# KiCad board Marble.kicad_pcb (continued)
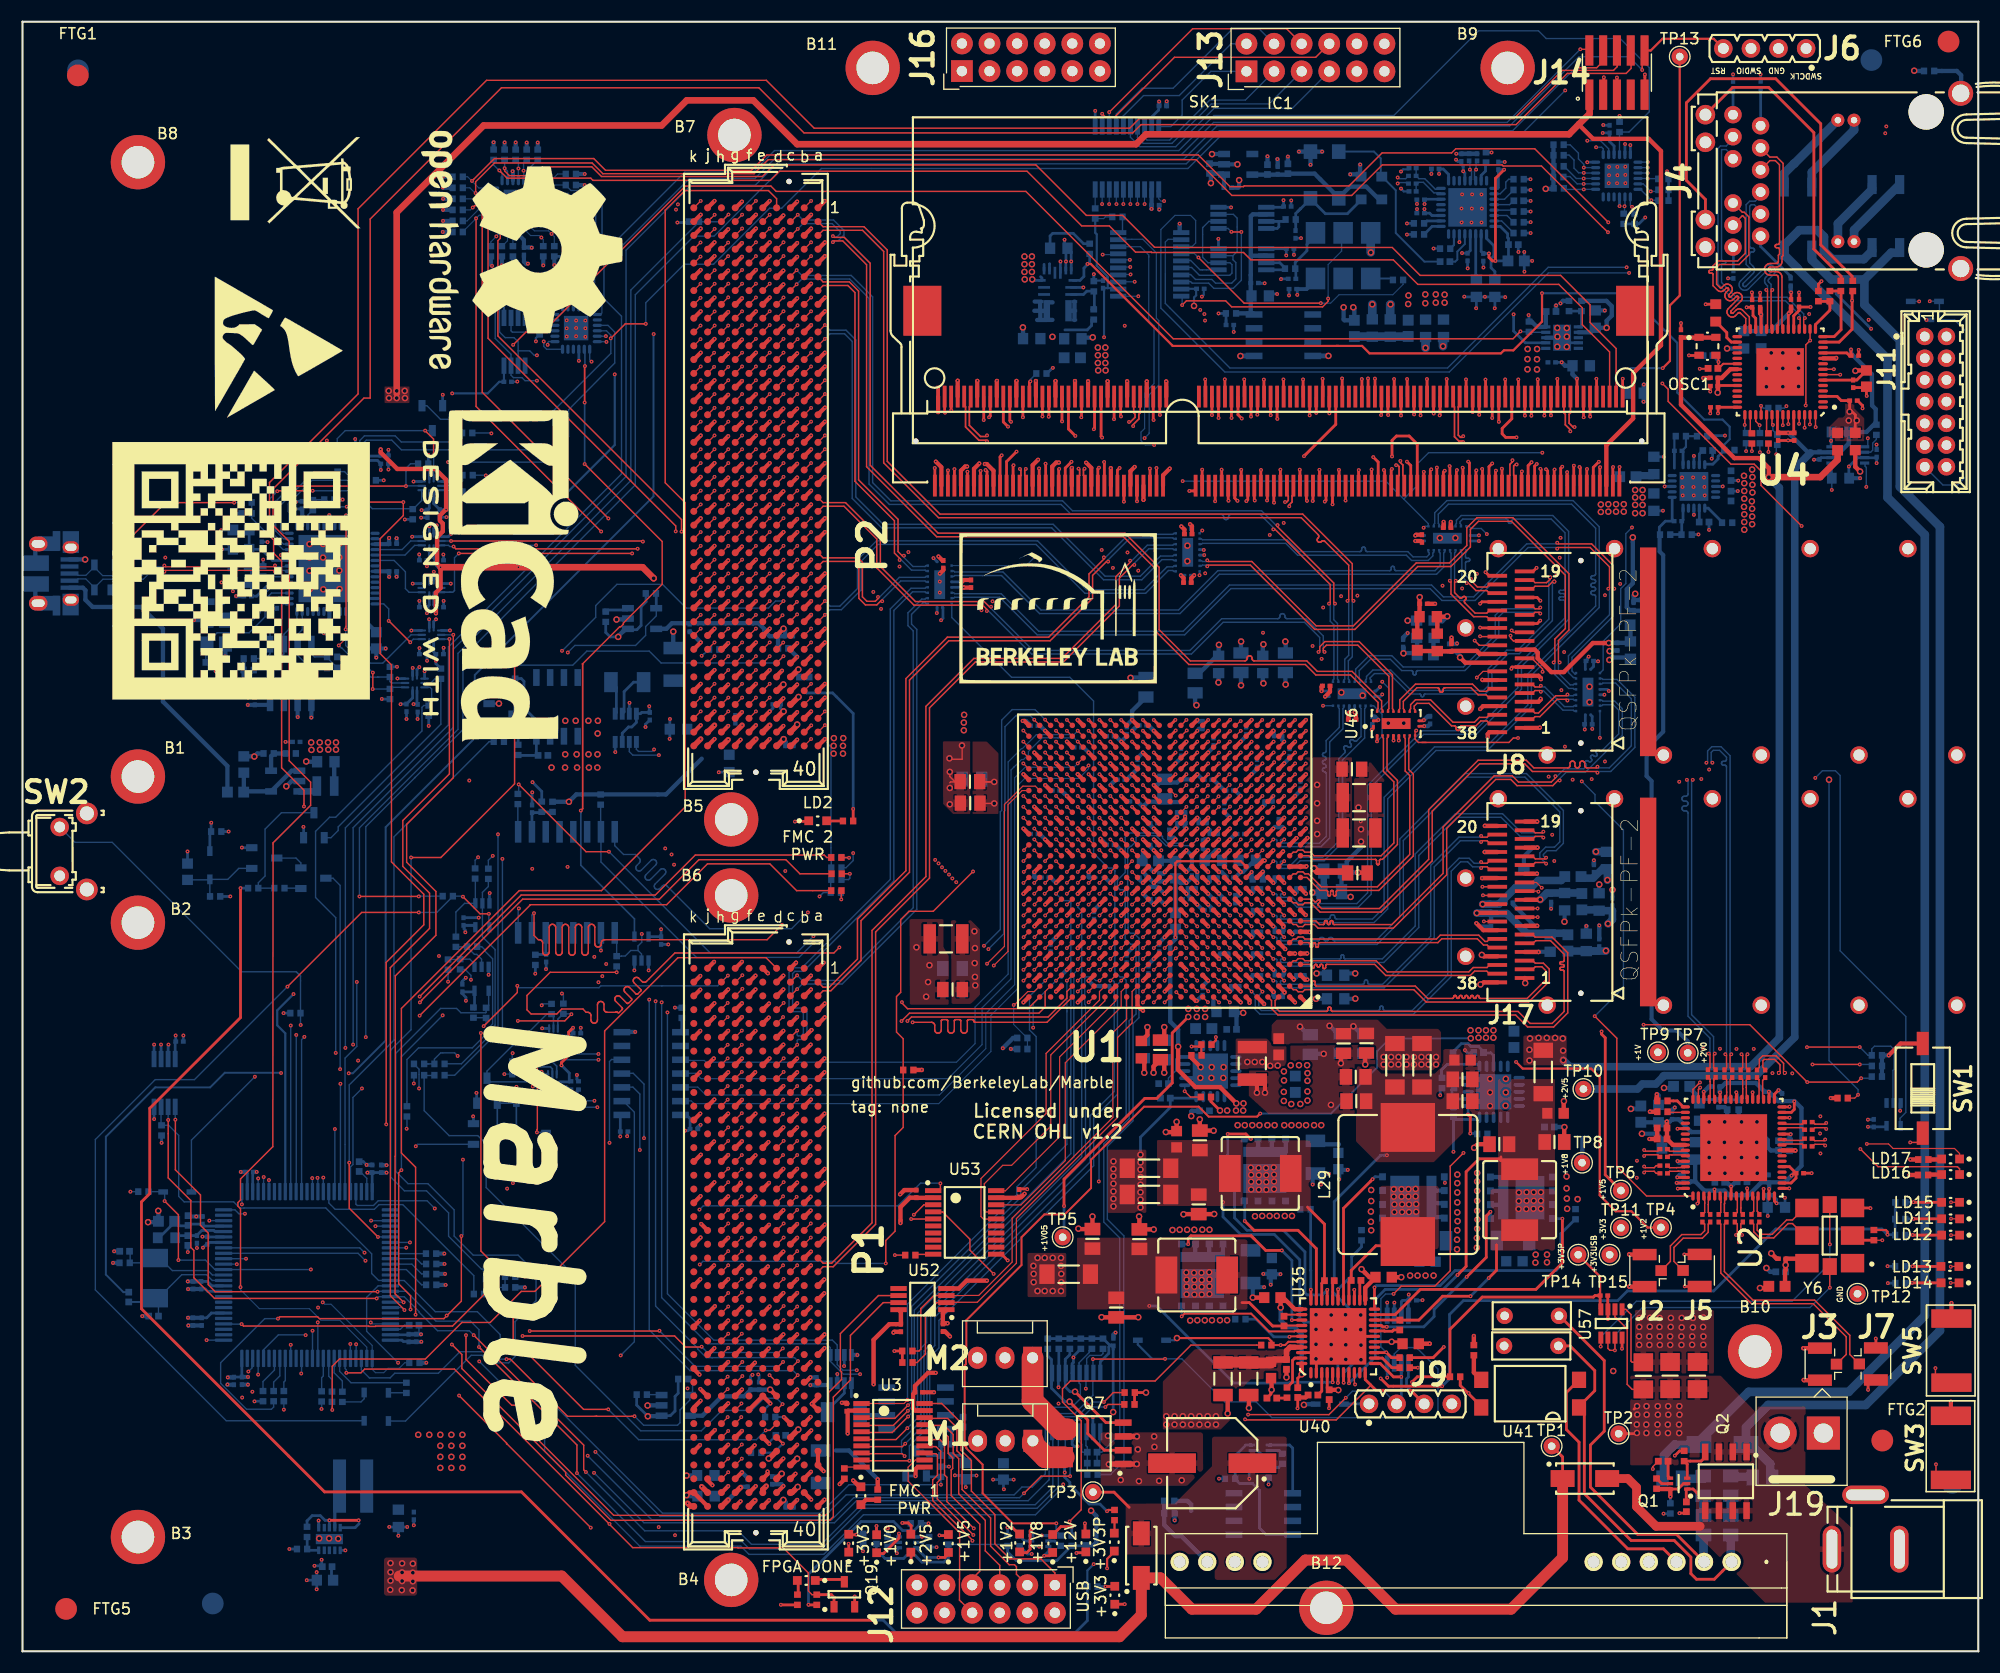
[diagram p0: board, top side]
## Routing (per net, layer and track width the routed paths; a pad name or vN(x,y) marks a point on that pad's centre or on a via; arc(x,y) is an arc through that point) (continued)
Net-(U1-PadD11): length 0.7
  Top w0.102: U1.D11 v1(108.12,62.73)
Net-(U1-PadG11): length 0.7
  Top w0.102: U1.G11 v1(108.12,65.73)
Net-(U1-PadJ14): length 0.7
  Top w0.102: U1.J14 v1(104.12,67.73)
Net-(U1-PadW20): length 0.7
  Top w0.11: v1(98.11,78.74) 98.11,78.74 U1.W20
Net-(U1-PadY21): length 0.7
  Top w0.11: v1(97.12,79.73) 97.12,79.73 U1.Y21
Net-(U4-Pad7): length 9.5
  Top w0.127: U4.7 167.29,117.51 v1(167.29,117.51)
  In2.Cu w0.127: v1(167.29,117.51) 169.83,114.97 v1(169.83,111.66)
  Bottom w0.127: v1(169.83,111.66) 169.83,110.85 169.58,110.85
Net-(U15-Pad8): length 6.4
  Bottom w0.127: U23.34 34.2,100.41 35.24,99.37 35.24,97.82 35.58,97.48 U15.8
Net-(U20-Pad28): length 0
  Bottom w0.178: 130.54,132.67 130.53,132.68
Net-(U23-Pad32): length 4.6
  Bottom w0.127: U23.32 34.93,101.41 35.72,102.2 U38.9
Net-(U23-Pad33): length 4.7
  Bottom w0.127: U38.8 36.1,101.8 35.21,100.91 U23.33
Net-(U23-Pad42): length 6.5
  Top w0.127: v1(33.7,94.85) 33.72,94.85 v1(35.68,92.88)
  Bottom w0.127: U25.8 35.97,93.16 v1(35.68,92.88) ; v1(33.7,94.85) 33.7,95.95 33.24,96.41 U23.42
Net-(U23-Pad46): length 11.3
  Bottom w0.127: U25.9 35.76,93.56 33.16,90.96 31.98,90.96 30.25,92.69 U23.46
Net-(U34-Pad1): length 0.9
  Bottom w0.127: v1(149.59,137.08) 149.58,137.07 U34.1
Net-(U34-Pad2): length 0.9
  Bottom w0.127: v1(149.58,136.57) 149.57,136.57 U34.2
Net-(U34-Pad3): length 0.9
  Bottom w0.127: U34.3 149.57,136.07 v1(149.58,136.08)
Net-(U40-Pad3): length 23.9
  Top w0.254: 143.74,25.06 143.33,25.06 142.09,23.82 142.09,20.41 143.26,19.25 143.26,13.91 147.74,9.43 151.02,9.43 U40.3
Net-(U48-Pad9): length 93.2
  In9.Cu w0.127: v1(119.69,87.04) 118.68,86.02 118.68,83.71 122.69,79.7 148.37,79.7 151.6,76.47 158.16,76.47 162.09,80.4 v1(165,80.4)
  Bottom w0.127: 119.83,87.04 119.84,87.04 U48.9 ; v1(165,80.4) 165.66,81.05 166.85,81.05 167.29,80.62 167.29,64.48 173.33,58.43 173.33,49.6 172.8,49.06 172.8,48.35
Net-(U54-Pad55): length 0.2
  Bottom w0.127: U54.55 34.02,38.64 34.03,38.62
Net-(U58-Pad4): length 2.3
  Bottom w0.4: U58.5 U58.A4 ; U58.4 U58.6

## Copper pours and planes (outline as drawn; the poured copper is in the pictures)
+1V0 on Top: 115.41,58.13 124.74,58.13 125.57,57.29 130.27,57.29 130.55,57.01 130.55,54.22 129.82,53.48 125.09,53.48 124.56,54.02 124.56,55.31 124,55.87 114.94,55.87 114.97,57.65
+1V0 on Top: 117.68,82.29 122.36,82.29 122.34,73.92 117.7,73.93 117.68,80.15
+1V0 on In4.Cu: 107.87,66.95 103.65,66.86 102.37,67.93 102.33,75.53 104.03,77.09 115.57,77.11 115.65,77.19 127.81,77.12 130.71,74.24 130.78,52.62 129.56,52.62 112.72,52.62 112.72,64.3 110.08,66.95
+1V0 on GND5.Cu: 104.8,67.25 102.51,69.54 102.51,76.77 103.12,77.38 114.61,77.42 114.63,77.44 129.76,77.38 130.93,76.33 130.91,52.97 128.6,52.92 111.76,52.92 111.76,64.61 109.12,67.25
+1V0 on PWR6.Cu: 110.97,67.17 105.19,67.18 102.83,68.99 102.81,76.98 103.15,77.26 117,77.41 119.12,80.23 132.62,80.22 132.59,74.29 132.66,53.48 132.66,52.85 115.82,52.85 115.82,64.53 113.18,67.17
+1V5 on Bottom: 100.15,117.26 96.69,117.26 96.69,120.06 96.72,120.06 97.05,120.39 100.15,120.44
+1V5 on Bottom: 147.98,104.51 145.08,104.51 144.4,105.2 144.4,108.65 147.98,108.65
+1V5 on PWR6.Cu: 149.57,103.41 145.91,99.8 145.91,80.8 119.68,80.86 118.87,79.8 117.1,77.45 116.41,76.56 115.78,76.56 115.1,77.41 99.78,77.51 99.02,78.16 99.03,83.49 95.09,87.43 87.45,87.43 87.45,122.44 149.57,122.44
+1V8 on Top: 138.14,53.63 142.13,53.63 142.13,56.68 138.14,56.68
+1V8 on Bottom: 143.86,56.33 143.86,53.23 144.7,52.52 144.68,46.75 134.34,46.75 134.34,49.01 134.92,49.77 137.11,49.77 137.11,50.54 138.4,50.56 138.4,57.57 142.62,57.57
+1V8 on Bottom: 119.06,50.03 115.41,50.03 115.41,52.06 119.07,52.06
+1V8 on Bottom: 109.02,51.68 109.02,50.54 108.79,50.31 108.79,49.19 113.39,49.19 113.39,51.88 112.83,52.44 111.05,52.44 111.05,51.68
+1V8 on PWR6.Cu: 108.63,52.63 108.63,46.57 143.48,46.62 143.34,80.34 132.88,80.37 132.89,53.13 132.38,52.62 116.05,52.62 115.31,52.63
+2V5 on Top: 92.5,36.67 96.06,36.67 96.06,32.6 92.5,32.6
+2V5 on Top: 87.43,83.73 88.75,83.73 89.82,82.67 89.82,77.08 87.43,77.08
+2V5 on Top: 85.45,67.29 87.28,67.29 88.12,66.45 88.12,60.43 87.28,59.6 85.5,59.6
+2V5 on Bottom: 60.37,83.63 62.23,81.78 75.59,81.78 75.94,82.13 75.94,85.06 75.08,85.92 60.78,85.92 60.37,85.51
+2V5 on Bottom: 106.05,55.54 106.05,56.96 105.72,57.29 105.72,57.62 105.41,57.93 103.2,57.93 102.49,57.22 102.49,55.54
+2V5 on Bottom: 61.12,12.56 61.12,17.06 68.81,17.06 68.81,12.59
+2V5 on Bottom: 87.53,82.52 89.51,82.52 89.84,82.49 89.84,77.59 87.53,77.59
+2V5 on Bottom: 85.5,65.16 88.12,65.16 88.12,60.43 87.28,59.6 85.5,59.6
+2V5 on In2.Cu: 65,82.35 61.38,82.35 61.38,85.83 65,85.83
+2V5 on In2.Cu: 96.42,32.27 90.6,32.27 88.08,29.84 88.08,21.22 78.74,11.88 61.03,11.88 61.03,18.15 73.71,18.15 78.56,23.17 78.56,31.78 84.53,37.2 96.42,37.2
+2V5 on In2.Cu: 117.15,69.41 119.84,72.02 119.84,79.34 112.6,79.34 111.67,80.36 97.9,80.36 94.85,76.9 94.85,76.05 95.49,75.34 103.46,75.35 111.81,75.35 111.99,75.2 112.17,74.87 112.17,74.54 111.46,73.83 111.46,69.82 111.86,69.41
+2V5 on PWR6.Cu: 93.82,32.35 96.87,32.35 96.85,46.28 97.29,46.79 108.35,46.96 108.38,52.84 115.12,52.86 115.15,64.66 112.9,66.84 104.66,66.81 102.62,68.34 102.59,76.83 101.85,77.4 99.44,77.4 98.49,78.22 98.46,80.94 98.5,83.1 94.82,86.97 82.12,86.99 75.23,86.97 74.05,85.63 74.27,48.83 91.89,32.32
+3V3 on Top: 99.87,46.17 103.43,46.17 103.43,40.35 99.87,40.35
+3V3 on Bottom: 95.32,128.51 94.76,127.96 94.76,126.46 94.26,125.95 91.84,125.95 91.84,129.73 95.32,129.73
+3V3 on Bottom: 159.69,109.65 159.69,103.33 158.87,102.52 156.18,102.52 155.29,103.43 155.27,109.58 157.12,111.18 158.18,111.18
+3V3 on Bottom: 121.08,124.24 123.19,124.24 123.19,121.91 121.08,121.91
+3V3 on PWR6.Cu: 179.6,145.51 179.58,143.54 179.37,79.8 179.37,61.91 179.45,61.23 179.45,2.86 179.63,2.23 179.6,0.49 48.41,0.47 48.44,18.89 48.44,37.81 46.28,39.97 46.28,52.54 42.09,56.73 42.09,81.75 43.1,82.77 58.98,82.77 59.03,94.68 41.32,94.71 41.32,116.81 0.56,116.81 0.56,141.81 0.57,149.44 179.54,149.51 ; 1 cut-out
+3V3 on In9.Cu: 159.34,109.46 159.75,109.21 159.7,97.75 142.92,81.78 121.94,81.78 117.5,86.22 117.5,87.95 117.52,87.98 127.3,95.8 127.25,103.93 132.74,109.44
+3V3_CLEAN on Bottom: 126.64,121.78 126.74,121.8 131.59,121.85 131.59,125.28 126.64,125.31
+3V3_CLEAN on In4.Cu: 112.61,118.13 130.79,118.11 139.19,126.29 139.12,126.19 139.09,136.75 134.88,141.01 131.07,141.01 127.21,138.32 108.66,138.32 108.58,121.78
+3V3_USB on Bottom: 24.81,82.08 27.66,82.08 28.01,81.73 28.01,78.53 29.61,78.53 29.61,83.81 29.21,84.22 24.81,84.22
+3V3_USB on In2.Cu: 17.07,78.83 17.07,68.93 21.64,68.93 22.91,70.2 22.91,75.53 26.18,78.81
+3V3_USB on In2.Cu: 38.88,110.89 38.88,87.19 30.38,78.68 17.07,78.68 17.07,110.89
+12V on Top: 155.67,25.4 148.4,25.4 148.4,31.42 155.67,31.42
+12V on Top: 104.95,20.41 110.28,20.41 111.81,21.94 111.81,23.79 113.05,25.03 116.65,25.06 116.67,27.8 107.9,27.8 104.95,24.83
+12V on Bottom: 105.41,35.4 115.47,35.42 115.47,38.37 111.78,38.37 110.72,39.44 105.41,39.41
+12V on Bottom: 111.35,45.08 121.79,45.08 121.79,49.11 111.35,49.11
+12V on Bottom: 133.32,44.62 137.13,44.62 137.13,35.35 133.32,35.35
+12V on Bottom: 128.83,39.27 129.41,38.69 129.41,35.19 131.62,35.19 132.66,36.24 132.66,44.49 128.83,44.49
+12V on Bottom: 47.99,85.97 53.32,85.97 53.32,81 47.99,81
+12V on Bottom: 91.88,29.43 91.88,23.33 93.55,21.67 93.55,16.96 85.15,16.96 85.15,19.15 83.56,20.74 83.56,25.76 87.23,29.43
+12V on In7.Cu: 86.94,12.36 82.5,12.36 78.56,8.42 57.99,8.42 56.13,8.45 50.7,13.88 50.7,28.29 60.5,28.29 60.5,22.06 63.62,18.94 75.64,18.94 86.97,30.27
+12V on In7.Cu: 170.7,48.94 170.66,12.36 86.61,12.36 86.61,33.06 102.61,49.06 135.4,49.06
+12V on In7.Cu: 55.74,86.05 55.74,61.03 60.47,56.29 60.47,25.89 50.73,25.89 50.8,50.71 48.36,52.85 47.5,53.6 47.5,86.05
+12V_FMC1 on Bottom: 70.41,21.99 71.57,23.16 75.21,23.16 75.21,17.67 72.39,17.67 71.42,16.83 69.95,16.83 69.95,21.58
+12V_FMC2 on Bottom: 56.28,87.98 57.1,87.16 71.85,87.16 72.18,87.49 72.18,90.31 71.55,90.95 56.84,90.95 56.28,90.39
/Power/+12VS on Top: 159.51,22.01 159.51,17.11 147.96,17.12 147.96,25.37 156.29,25.37
/Power/+12VS on Bottom: 154.12,19.12 146.26,11.25 115.2,11.25 115.3,20.76 131.65,20.76 135.37,23.79 154.12,23.79
/Power/Power_SW/1V5_DCDC on Bottom: 95.02,122.37 95.4,121.81 96.59,121.81 96.59,118.38 92.78,118.38 92.78,124.48 95.02,124.48
/Power/Power_SW/1V5_LDO on Bottom: 152.41,109.23 150.15,109.25 149.36,110.28 148.21,110.27 148.07,110.12 148.06,107.68 148.21,107.53 152.05,107.53 152.13,107.45 152.41,107.45
GND on Top: 135.51,49.39 132.66,49.39 132.66,55.9 135.51,55.9
GND on Top: 115.39,53.46 116.68,53.46 116.68,55.75 124.05,55.82 124.51,55.36 124.51,54.04 122.6,54.04 122.6,49.5 114.71,49.45 112.86,51.13 112.89,53.46
GND on Top: 123.8,82.21 122.54,82.25 122.56,73.94 125.3,73.97 125.35,80.2
GND on Top: 84.71,83.76 87.28,83.76 87.28,77.08 85.65,77.08 84.63,78.1 84.74,78.1
GND on Top: 81.64,67.39 84.76,67.39 84.76,64.83 85.25,63.99 85.25,59.52 81.67,59.52
GND on Top: 99.22,20.16 108.65,20.16 108.66,16.7 107.19,15.23 99.23,15.23
GND on Bottom: 87.31,83.82 87.32,76.99 84.71,76.99 84.71,83.84
GND on Bottom: 129.31,35.4 129.51,35.19 130.65,35.19 130.78,35.07 130.78,34.05 130.58,33.85 126.49,33.85 126.49,38.93 129,38.93 129.31,38.62
GND on Bottom: 106.05,55.34 102.49,55.34 102.49,52.37 104.37,50.49 105.21,50.49 105.21,52.34 106.05,53.18
GND on Bottom: 69.82,16.6 74.88,16.6 74.88,14.82 73.12,13.07 69.82,13.07
GND on Bottom: 81.72,59.7 85.25,59.7 85.25,64.4 81.72,64.4
GND on Bottom: 107.19,32.35 111.73,32.35 111.73,30.04 107.19,30.04
GND on Bottom: 112.93,42.05 118.08,42.05 118.08,39.03 112.93,39.03
GND on Bottom: 123.03,43.15 125.75,43.15 125.75,38.4 123.03,38.4
GND on Bottom: 140.18,44.31 144.45,44.31 144.45,40.25 140.18,40.25
GND on Bottom: 137.44,38.99 140.97,38.98 140.97,35.14 137.44,35.16
GND on GND1.Cu: 179.6,0.48 0.6,0.48 0.6,149.48 179.6,149.48
GND on GND3.Cu: 0.29,149.46 39.15,149.46 40.81,149.42 179.55,149.41 179.6,141.62 179.6,78.35 179.63,76.57 179.56,61.42 179.63,0.84 168.7,0.85 30.78,0.85 0.31,0.49 0.3,3.86 0.3,140.81
GND on GND5.Cu: 179.6,0.48 0.6,0.48 0.6,149.48 179.6,149.48
GND on GND8.Cu: 179.6,0.48 0.6,0.48 0.6,149.48 179.6,149.48
GND on GND10.Cu: 179.59,0.49 0.59,0.49 0.59,149.49 179.59,149.49
VCCAUX on Bottom: 119.08,52.17 115.43,52.17 115.43,54.49 119.08,54.49
VCCAUX on In9.Cu: 113.42,75.47 119.67,75.47 119.69,69.27 112.91,69.25 112.83,69.12 112.83,61.27 113.86,60.31 118.9,60.29 118.92,52.12 110.21,52.11 110.21,60.16 109.61,60.77 109.33,61.05 109.35,64.33 106.28,67.4 106.27,77.15 111.74,77.16
VCCAUXIO2V0 on Bottom: 112.57,72.15 112.57,76.42 109.65,76.42 109.65,72.15
VCCAUXIO2V0 on Bottom: 152.38,107 150.96,107 150.7,107.25 148.21,107.25 148.06,107.1 148.06,104.43 148.32,104.18 149.33,104.18 149.51,104.35 149.51,105.57 149.64,105.7 152.38,105.7
VCCAUXIO2V0 on In7.Cu: 150.17,98.12 150.19,98.14 150.19,90 131.51,71.4 109.5,71.4 109.5,76.19 127.78,76.18 144.57,92.99 144.68,107.41 147.94,107.42 150.17,107.42
VCCBRAM on Top: 111.66,56.4 114.5,56.4 114.86,56.05 116.33,56.05 116.33,53.58 111.66,53.58
VCCBRAM on In7.Cu: 117.45,54.18 117.4,55.08 114.55,57.91 107.62,57.92 107.62,69.04 109.11,70.59 108.99,75.72 107.52,77.29 105.92,77.32 104.22,75.62 104.22,58.2 103.3,57.28 103.39,53.64 104.8,52.32 116.44,52.18 117.43,53.12
+3.3P on Top: 33.32,116.42 35.61,116.42 35.61,114.9 33.32,114.9
+3.3P on Bottom: 30.73,20.53 32.26,20.51 41.15,20.54 41.15,12.28 34.11,12.28 33.35,11.52 30.73,11.52
+3.3P on In4.Cu: 61.13,131.93 61.13,131.3 58.84,129 58.84,123.1 49.83,114.1 33.13,114.1 33.19,139.54 53.95,139.54
+3.3P on PWR6.Cu: 41.2,94.58 58.9,94.58 58.85,82.9 42.85,82.9 41.83,81.88 41.83,56.61 46.02,52.42 46.02,39.84 48.18,37.68 48.18,0.47 18.76,0.55 11.6,0.5 0.51,0.42 0.51,6.9 0.56,7.97 0.56,116.55 41.2,116.55
+3.3P on In9.Cu: 147.27,24.25 135.25,12.18 83.21,12.18 80.62,10.05 79.22,8.65 36.14,8.65 36.17,10.3 36.14,20.69 50.47,20.69 53.03,23.26 58.59,23.26 61.95,19.9 61.95,16.91 64.03,14.85 71.68,14.85 72.72,15.87 72.72,23.61 72.36,24.04 72.36,24.78 72.72,24.96 132.53,24.96 135.05,27.47 147.27,27.47
/FPGA/VREF_DDR3 on Bottom: 140.76,117.36 138.2,117.34 138.2,120.18 140.76,120.18
/FPGA/VREF_DDR3 on In7.Cu: 141.81,120.62 141.81,117.31 139.54,115.2 111.17,115.2 107.29,111.32 107.29,101.79 107.36,86.15 108.35,85.16 108.35,84.65 106.88,83.18 106.88,82.06 108.58,80.38 109.22,80.38 111.15,82.31 115.19,82.31 115.62,82.74 115.62,83.79 116.02,84.14 116.56,84.17 116.81,83.91 116.81,79.47 115.31,77.71 104.24,77.69 102.36,79.57 99.87,79.57 99.29,80.15 99.29,82.46 101.9,85.08 102.19,85.08 102.98,84.27 103.81,84.27 104.29,84.75 104.29,103.52 101.17,106.62 93.52,114.27 88.44,114.27 87.68,113.5 87.68,111.6 85.32,109.26 84.33,108.3 83.92,108.3 83.66,108.55 83.66,108.98 84.58,109.9 84.58,119.04 86.69,121.15 141.3,121.15
/Power/Power_SW/PSS_XRP_LX1 on Top: 106.73,38.07 112.75,38.07 112.75,31.44 106.73,31.44
/Power/Power_SW/PSS_XRP_LX2 on Top: 112.62,47.03 118.56,47.03 118.56,40.5 112.62,40.5
/Power/Power_SW/PSS_XRP_LX3 on Top: 130.35,42.84 130.35,37.02 124.91,37.02 124.91,42.84
/Power/Power_SW/PSS_XRP_LX4 on Top: 135.1,42.56 141.04,42.56 141.04,36.87 135.1,36.87
/Power/Power_SW/XR77129ILB_F_VOUT1 on Top: 97.05,38.07 106.52,38.07 106.52,31.46 97.05,31.46
/Power/Power_SW/XR77129ILB_F_VOUT2 on Top: 104.42,47.06 112.29,47.06 112.29,40.99 104.42,40.99
/Power/Power_SW/XR77129ILB_F_VOUT3 on Top: 122.73,46.93 124.63,45.02 129.89,45.02 132.59,47.72 132.59,55.44 130.88,55.44 130.63,55.18 130.63,53.81 129.99,53.18 125.07,53.18 124.41,53.84 122.73,53.84
/Power/Power_SW/XR77129ILB_F_VOUT4 on Top: 135.81,52.67 141.03,52.67 141.03,42.76 135.81,42.76
MGTAVCC on Bottom: 108.61,56.66 108.61,58.13 110.36,58.13 110.36,59.5 112.34,61.49 113.56,61.49 113.66,61.59 113.66,70.43 113.44,70.66 109.27,70.66 106.98,68.37 106.98,66.08 106.3,65.4 106.3,56.66
MGTAVCC on In7.Cu: 112.88,70.63 113.79,69.71 113.79,59.99 111.99,58.16 111.89,58.05 106.96,58.05 106.96,68.32 109.27,70.63
MGTAVTT on Bottom: 133.19,58.13 132.71,57.64 132.71,56.04 133.22,55.53 135.3,55.5 136.25,56.4 137.91,56.43 138.17,56.75 138.17,57.95 137.99,58.13
MGTAVTT on In7.Cu: 114.44,71.97 114.88,71.43 124.79,71.34 135.66,60.47 137.59,58.69 137.59,58.61 137.59,57.44 135.2,55.21 118.08,55.21 113.87,59.48 113.81,71.21 113.94,72
VTT_DDR3 on Bottom: 148.49,113.45 147.24,112.37 147.24,108.8 144.21,108.78 142.41,110.25 142.41,121.22 148.49,121.2
Net-(C42-Pad2) on Top: 169.5,111.39 166.2,111.39 166.2,112.63 167.14,113.57 167.55,113.57 167.75,113.77 167.75,115.45 168.59,115.45 168.59,114.41 169.5,113.5
Net-(C42-Pad2) on Bottom: 169.2,112.86 166.3,112.86 164.2,114.97 156.5,114.97 155.56,115.91 155.56,117.97 155.59,118 155.6,121.25 158.3,123.94 160.47,123.97 162.13,122.29 164.23,122.29 164.47,122.53 164.47,123.38 164.16,123.7 164.16,124.6 164.91,124.59 166.21,123.28 166.23,118.94 169.2,115.88
Net-(C128-Pad1) on Top: 154.03,16.79 159.68,16.8 159.69,22.52 164.12,22.55 164.08,15.29 168.43,11.28 168.45,4.49 160.38,4.48 154.02,10.84
Net-(C129-Pad1) on Top: 33.27,8.63 36.32,8.63 36.32,5.12 33.27,5.12
Net-(C129-Pad1) on Bottom: 29.05,9.82 29.05,8.83 29.28,8.6 36.32,8.6 36.32,5.15 27.81,5.15 27.81,8.47 28.01,8.68 28.01,9.82
Net-(C143-Pad1) on Bottom: 138.31,55.89 138.31,53.75 138.42,53.27 138.43,52.49 137.08,52.49 137.08,53.13 136.87,53.22 135.07,53.21 135.06,54.98 136.47,56.25 138.25,56.25
Net-(C350-Pad1) on Top: 101.51,8.91 108.84,8.93 109.73,8.04 109.73,6.57 116.35,6.58 116.35,19.76 109.47,19.75 109.47,17.03 106.04,13.6 101.53,13.58
Net-(C350-Pad1) on Bottom: 106.75,11.55 109.62,8.68 109.62,6.34 113.23,6.34 113.23,15.05 106.75,15.05
Net-(C383-Pad1) on Bottom: 108.99,56.28 108.69,56.58 108.69,58.08 111.35,58.08 111.35,56.73 112.55,55.54 112.55,54.35 111.08,54.35 111.08,55.01 110.97,55.11 108.99,55.11
Net-(Q16-Pad5) on Bottom: 77.82,25.26 81.23,25.26 81.23,19.37 75.46,19.37 75.46,25.29
Net-(Q23-Pad5) on Bottom: 47,91.54 54.09,91.54 55.27,90.36 55.27,87.62 54.02,87.62 53.26,86.86 46.45,86.86 46.45,91.53

## Text on the board
F.SilkS: +1V05 | +3V3P | +2V5 | +1V8 | +3V3USB | +1V5 | +3V3 | +1V | +1V2 | +2V0 | GND | RST | SWDIO | SWDCLK | github.com/BerkeleyLab/Marble | tag: none | FMC 2 / PWR | FPGA DONE | FMC 1 / PWR | +1V0 | +12V | USB / +3V3 | Licensed under / CERN OHL v1.2 | Marble
